# Altium PCB higgs.PcbDoc (part 16 of 25) (continued)
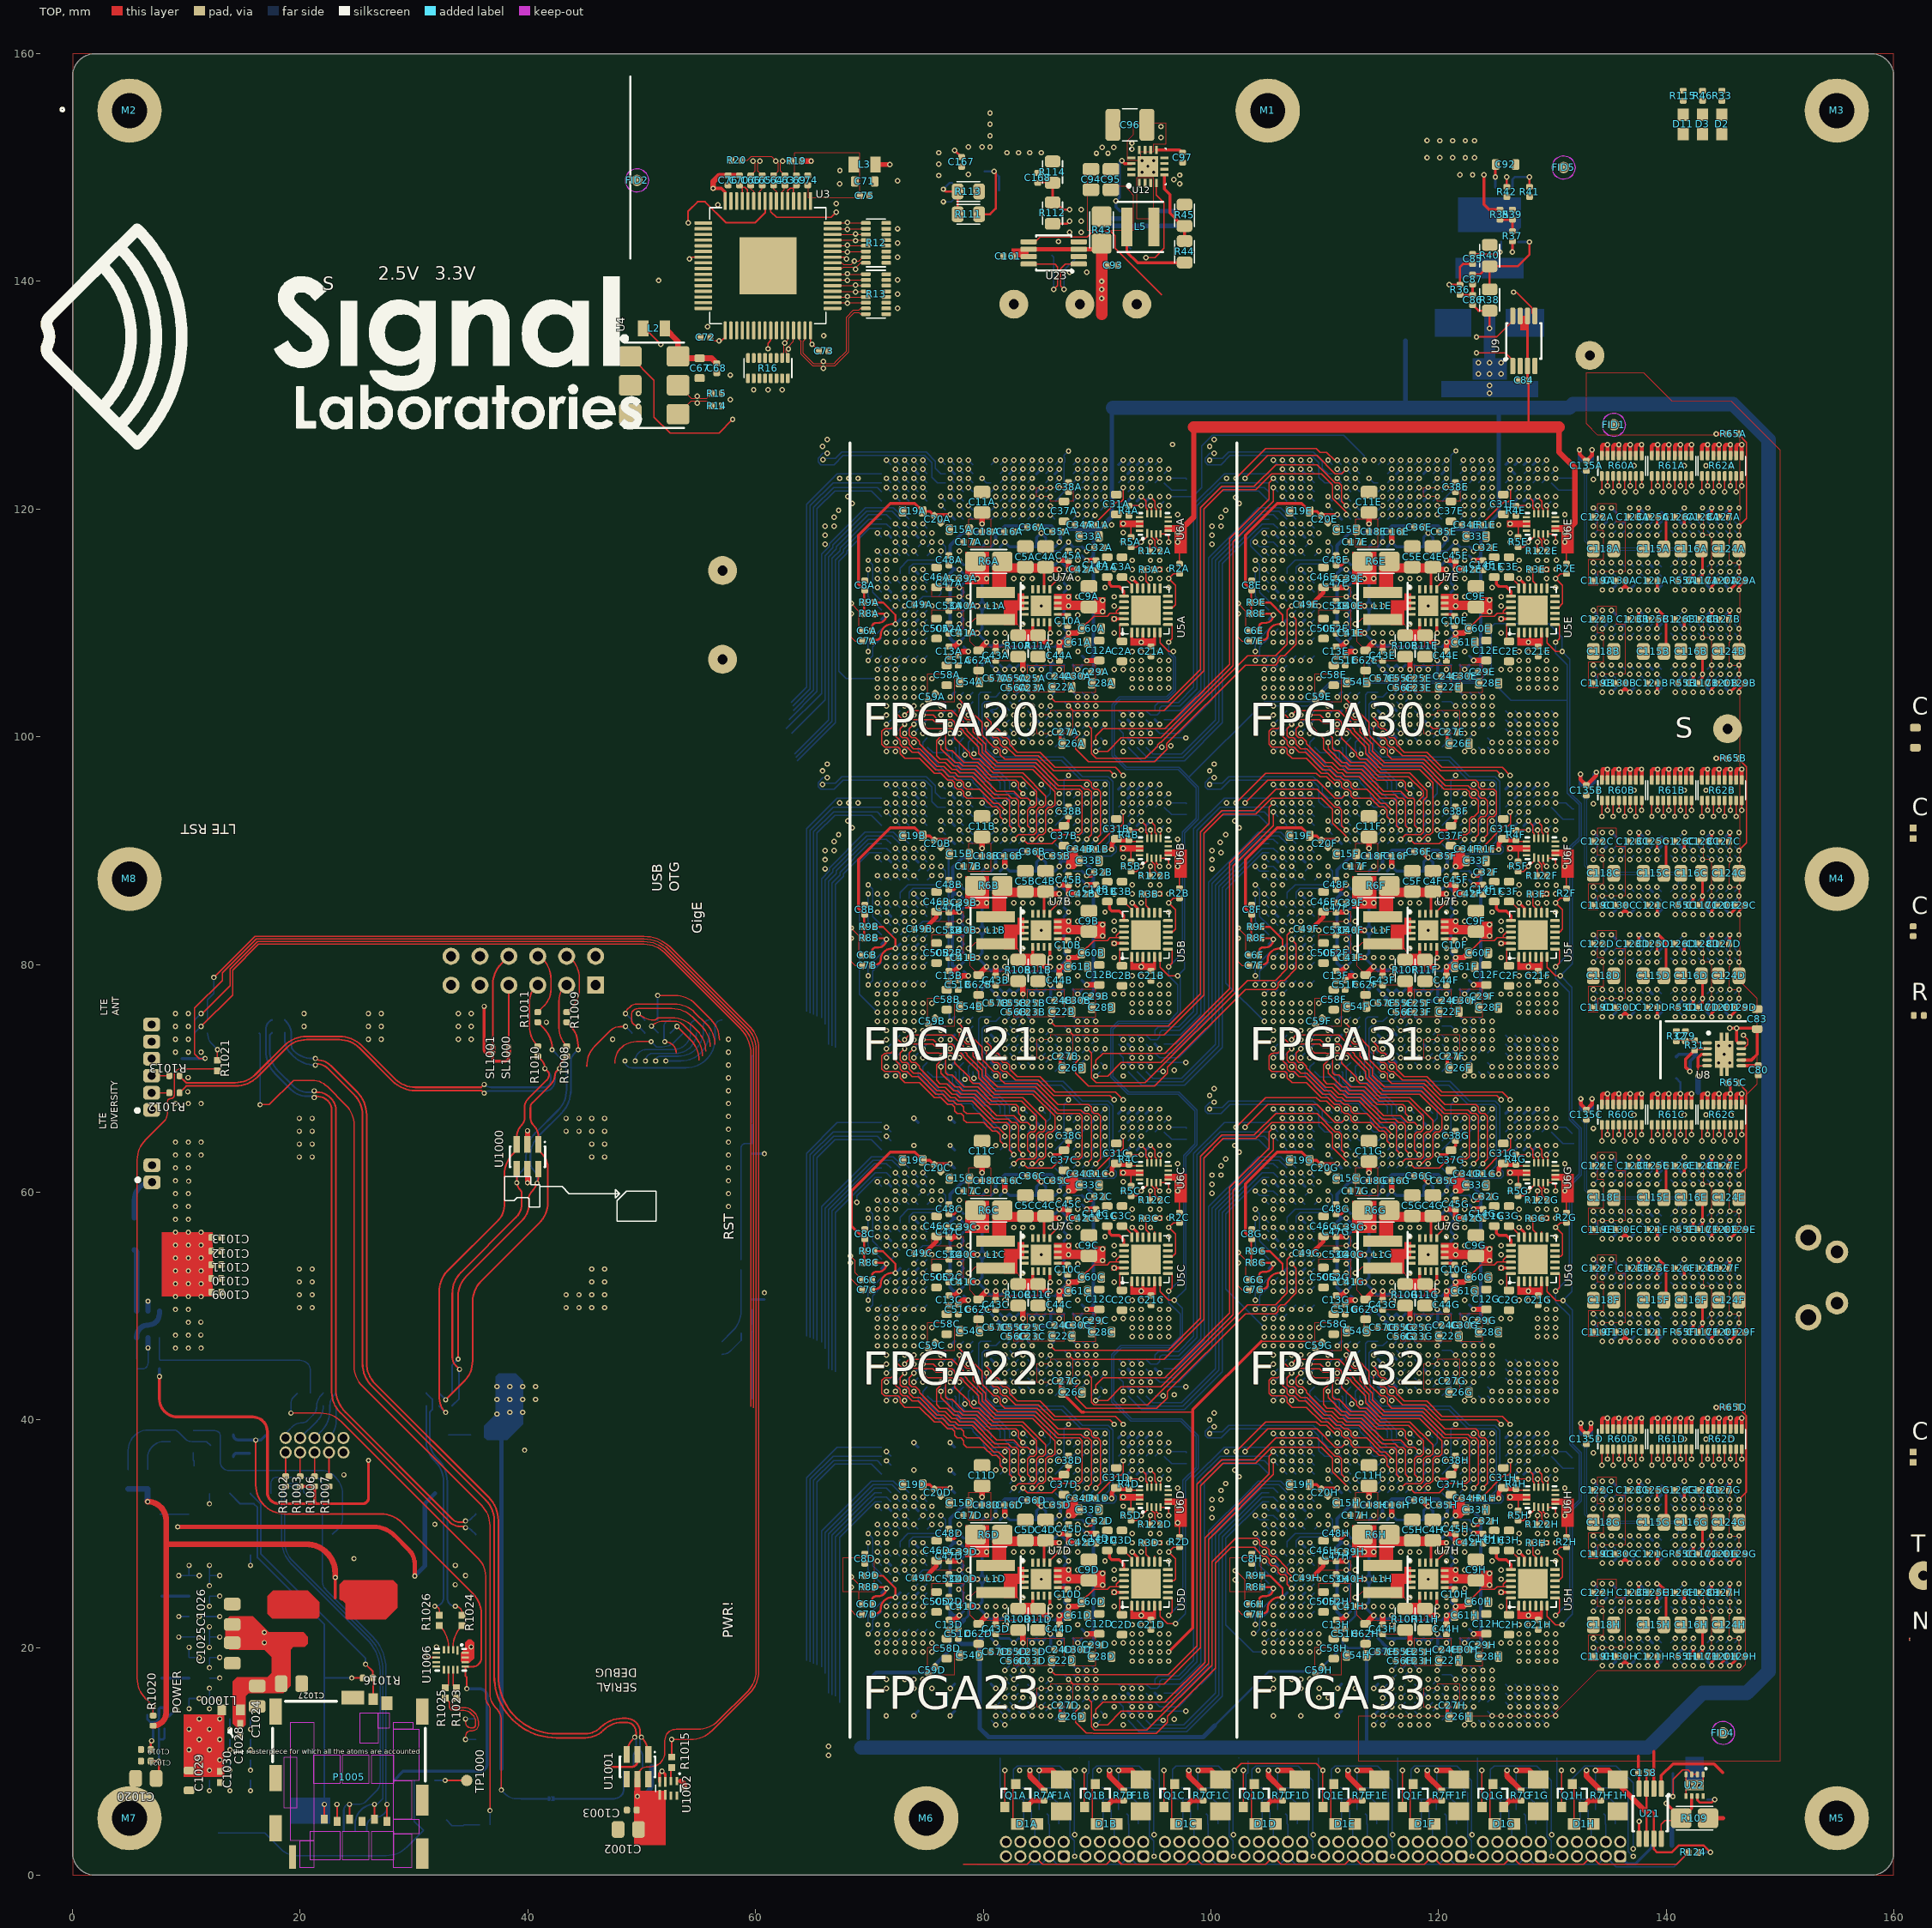
[diagram p0: TOP view]
## Nets (pads, with @x,y where several pads share a name; then routed paths per layer and width w, separated by ;. In a path a pad name is that pad's centre, name@x,y a point inside that pad or via, vN(x,y) a via of type N, cw(c..) or ccw(c..) an arc to the next point about the centre after c; other vN are vias at no path point) (continued)
  BOT w0.102: v1(106.3,48.9) U1G.C23@106.7,49.3 ; U1H.U4@117.9,36 v1(118.3,36.4)
IL12_33.LR.VTT: NT14.A
IL12_33.VIOLR: NT15.A
IL34_30.LR.G0.D0_N: U1E.P29 U14A.D3 | length 32.7
  S2(H) w0.102: v1(115.1,101.1) 115.5,101.5 117.666,101.5 117.9,101.734 117.9,102.066 118.134,102.3 118.466,102.3 118.7,102.534 118.7,103.069 121.131,105.5 122.94,105.5 124.54,107.1 129.775,107.1 130.875,108.2 131.725,108.2 131.925,108.4 ; 131.929,108.396 134.234,110.7 134.565,110.7 134.799,110.935 134.799,111.5 135.6,112.301 135.6,117.3 v1(136,117.7)
  BOT w0.102: v1(115.1,101.1) U1E.P29@115.5,101.5 ; v1(136,117.7) U14A.D3@136.4,118.1
IL34_30.LR.G0.D0_P: U1E.P28 U14A.C3 | length 32
  S2(H) w0.102: v1(115.9,101.9) 116.3,102.3 117.666,102.3 117.9,102.534 117.9,106.066 118.134,106.3 119.5,106.3 123.309,106.3 125.099,108.09 125.918,108.09 126.51,108.682 126.51,109.143 126.753,109.386 130.973,109.386 134.087,112.5 134.565,112.5 134.799,112.734 134.799,113 ; 134.799,113 134.799,117.3 v1(135.199,117.7)
  BOT w0.102: U1E.P28@115.5,102.3 v1(115.9,101.9) ; v1(135.199,117.7) U14A.C3@135.599,118.1
IL34_30.LR.G0.D1_N: U1E.T26 U14A.A2 | length 31.6
  S2(H) w0.102: v1(116.7,103.5) 117.1,103.9 117.1,106.066 118.134,107.1 123.678,107.1 124.973,108.395 125.792,108.395 126.205,108.808 126.205,109.269 126.626,109.69 130.847,109.69 133.999,112.843 133.999,115.7 133.999,115.943 133.504,115.943 133.504,116.446 133.999,116.446 134.495,116.446 134.495,116.949 133.999,116.949 133.999,117.2 133.999,118.1 v1(133.599,118.5)
  BOT w0.102: v1(116.7,103.5) U1E.T26@117.1,103.9 ; v1(133.599,118.5) U14A.A2@133.999,118.9
IL34_30.LR.G0.D1_P: U1E.R26 U14A.A3 | length 31.1
  S2(H) w0.102: v1(115.9,103.5) 116.3,103.9 116.3,105.8 116.3,106.066 118.134,107.9 118.4,107.9 118.652,107.9 118.652,108.395 119.154,108.395 119.154,107.9 119.154,107.405 119.657,107.405 119.657,107.9 120,107.9 124.047,107.9 124.847,108.7 125.666,108.7 125.9,108.934 125.9,109.395 126.5,109.995 130.721,109.995 133.199,112.474 133.199,117.3 v1(133.599,117.7)
  BOT w0.102: v1(115.9,103.5) U1E.R26@116.3,103.9 ; v1(133.599,117.7) U14A.A3@133.999,118.1
IL34_30.LR.G0.D2_N: U1E.T27 U14A.A7 | length 32.9
  S6(H) w0.102: v1(117.5,103.5) 117.9,103.9 117.9,107 118.8,107.9 121.4,107.9 122.1,108.6 123.4,108.6 123.652,108.6 123.652,109.2 124.154,109.2 124.154,108.6 124.6,108.6 125.569,108.6 126.674,109.705 132.405,109.705 133.199,110.499 133.199,110.8 133.199,111.052 132.6,111.052 132.6,111.555 133.199,111.555 133.266,111.555 133.266,112.058 133.199,112.058 132.6,112.058 132.6,112.561 133.199,112.561 133.255,112.561 133.255,113.064 133.199,113.064 132.6,113.064 132.6,113.566 133.199,113.566 133.255,113.566 133.255,114.069 133.199,114.069 132.6,114.069 132.6,114.572 133.199,114.572 133.199,114.7 133.199,114.9 v1(133.599,115.3)
  BOT w0.102: U1E.T27@117.1,103.1 v1(117.5,103.5) ; v1(133.599,115.3) U14A.A7@133.999,114.9
IL34_30.LR.G0.D2_P: U1E.R27 U14A.C2 | length 33.9
  S2(H) w0.102: v1(116.7,102.7) 116.299,103.101 115.735,103.101 115.5,103.336 115.5,106.066 118.134,108.7 124.416,108.7 126.016,110.3 130.594,110.3 132.894,112.6 132.894,118.361 133.434,118.9 134.799,118.9 v1(135.199,118.5)
  BOT w0.102: U1E.R27@116.3,103.1 v1(116.7,102.7) ; v1(135.199,118.5) U14A.C2@135.599,118.9
IL34_30.LR.G0.D3_N: U1E.U26 U14A.B8 | length 33
  S6(H) w0.102: v1(118.3,103.5) 118.7,103.9 118.7,104.1 118.7,104.243 118.26,104.243 118.26,104.746 118.7,104.746 119.14,104.746 119.14,105.249 118.7,105.249 118.7,105.5 118.7,106.866 119.43,107.595 121.526,107.595 122.226,108.295 125.695,108.295 126.8,109.4 127.5,109.4 127.825,109.4 128.328,109.4 128.328,109.005 128.831,109.005 128.831,109.4 129.334,109.4 129.334,109.005 129.837,109.005 129.837,109.4 130.34,109.4 130.34,109.005 130.843,109.005 130.843,109.4 131.346,109.4 131.346,109.005 131.849,109.005 131.849,109.4 132.1,109.4 132.531,109.4 133.999,110.868 133.999,111.5 133.999,111.637 134.439,111.637 134.439,112.14 133.999,112.14 133.56,112.14 133.56,112.643 133.999,112.643 133.999,113.146 133.56,113.146 133.56,113.649 133.999,113.649 133.999,113.9 133.999,114.1 v1(134.399,114.5)
  BOT w0.102: U1E.U26@117.9,103.9 v1(118.3,103.5) ; v1(134.399,114.5) U14A.B8@134.799,114.1
IL34_30.LR.G0.D3_P: U1E.U27 U14A.C8 | length 32.9
  S6(H) w0.102: v1(118.3,102.7) 119.5,103.9 119.5,104.3 119.5,104.546 119.995,104.546 119.995,105.049 119.5,105.049 119.5,105.3 119.5,105.734 120.866,107.1 122.466,107.1 123.356,107.99 125.821,107.99 126.531,108.7 128.4,108.7 128.652,108.7 129.154,108.7 129.154,108.205 129.657,108.205 129.657,108.7 129.8,108.7 130.3,108.7 130.551,108.7 131.054,108.7 131.054,108.205 131.557,108.205 131.557,108.7 132.06,108.7 132.06,108.205 132.563,108.205 132.563,108.7 132.9,108.7 133.3,109.1 134.565,109.1 134.799,109.335 134.799,109.9 134.799,110.146 134.211,110.146 134.211,110.649 134.799,110.649 134.799,110.9 134.799,111.5 134.799,111.846 135.295,111.846 135.295,112.349 134.799,112.349 134.799,112.6 134.799,114.101 v1(135.199,114.5)
  BOT w0.102: U1E.U27@117.9,103.1 v1(118.3,102.7) ; v1(135.199,114.5) U14A.C8@135.599,114.1
IL34_30.LR.G0.D4_N: R60A.1 U1E.U28 U14A.K9 U14B.K9 | length 52.8
  TOP w0.102: v1(134.35,121.5) R60A.1@134.35,122.905
  S1(V) w0.102: v1(118.3,101.9) 118.7,101.5 125.4,101.5 ; 125.4,101.501 125.665,101.501 125.901,101.736 125.901,102.065 126.135,102.299 129.665,102.299 129.901,102.064 129.901,101.735 130.135,101.501 130.799,101.501 130.8,101.5 139.201,101.5 v1(141.6,103.9) 142,104.3 142,112.5 v1(141.6,112.9) 141.2,113.3 141.2,114.4 141.2,114.665 140.966,114.9 140.8,114.9 135.834,114.9 135.6,115.134 135.6,115.934 133.999,117.535 133.999,121.149 v1(134.35,121.5)
  BOT w0.102: U1E.U28@117.9,102.3 v1(118.3,101.9) ; U14B.K9@141.2,104.3 v1(141.6,103.9) ; U14A.K9@141.2,113.3 v1(141.6,112.9)
IL34_30.LR.G0.D4_P: U1E.T29 U14A.D7 | length 32.6
  S6(H) w0.102: v1(116.7,101.1) 117.1,101.5 120.066,101.5 120.3,101.734 120.3,103.666 120.3,106.103 120.992,106.795 122.592,106.795 123.482,107.686 126.277,107.686 126.492,107.9 135,107.9 135.6,108.5 135.6,114.9 v1(136,115.3)
  BOT w0.102: v1(116.7,101.1) U1E.T29@117.1,101.5 ; v1(136,115.3) U14A.D7@136.4,114.9
IL34_30.LR.G0.S_N: U1E.T28 U14A.B7 | length 33.4
  S6(H) w0.089: v1(116.7,101.9) 117.1,102.3 117.1,103.666 116.802,103.964 116.802,105.436 117.1,105.734 117.1,106.066 116.8,106.366 116.8,107.6 117.15,107.95 117.233,108.033 117.58,108.38 118.011,107.949 118.358,108.296 117.927,108.727 118.1,108.9 118.198,108.998 119.436,108.998 119.734,108.7 121.666,108.7 121.962,108.997 122.597,108.997 123.2,109.6 126,109.6 126.403,110.003 131.591,110.003 132.2,110.612 132.2,114.91 133.29,116 134.498,116 134.698,115.8 134.698,115.598 v1(134.399,115.3)
  BOT w0.089: v1(116.7,101.9) U1E.T28@117.1,102.3 ; v1(134.399,115.3) U14A.B7@134.799,114.9
IL34_30.LR.G0.S_P: U1E.R29 U14A.C7 | length 33.7
  S6(H) w0.089: v1(115.9,101.1) 116.3,101.5 116.3,103.4 116.3,103.666 116.598,103.964 116.598,105.436 116.3,105.734 116.3,106.066 116.597,106.362 116.597,107.684 118.114,109.202 119.436,109.202 119.734,109.5 121.666,109.5 121.966,109.2 122.513,109.2 123.116,109.803 125.916,109.803 126.363,110.25 131.55,110.25 131.997,110.697 131.997,114.994 132.698,115.695 133.206,116.203 134.582,116.203 134.901,115.884 134.901,115.598 v1(135.199,115.3)
  BOT w0.089: v1(115.9,101.1) U1E.R29@116.3,101.5 ; v1(135.199,115.3) U14A.C7@135.599,114.9
IL34_30.LR.G1.D0_N: U1E.P30 U14B.H7 | length 35.6
  S1(V) w0.102: v1(115.1,100.3) 114.7,100.7 114.7,103.666 116.449,105.414 117.58,105.414 117.9,105.734 117.9,106.066 119.43,107.595 120.764,107.595 121.983,108.814 124.649,108.814 125.544,109.71 126.469,109.71 126.974,110.214 130.252,110.214 131.043,111.005 131.643,111.005 132.138,111.5 135.365,111.5 136.965,109.9 137.2,109.666 137.2,108.3 v1(139.2,106.3)
  BOT w0.102: v1(115.1,100.3) U1E.P30@115.5,100.7 ; v1(139.2,106.3) U14B.H7@139.6,105.9
IL34_30.LR.G1.D0_P: U1E.P31 U14B.F7 | length 33.7
  S1(V) w0.102: v1(115.9,99.5) 115.5,99.9 115.5,103.666 116.944,105.11 118.075,105.11 118.7,105.734 118.7,106.09 119.9,107.29 120.89,107.29 122.11,108.51 125.7,108.51 127.1,109.91 130.379,109.91 130.979,110.51 135.69,110.51 136.4,109.8 136.4,108.491 137.6,107.291 v1(137.6,106.3)
  BOT w0.102: U1E.P31@115.5,99.9 v1(115.9,99.5) ; v1(137.6,106.3) U14B.F7@138,105.9
IL34_30.LR.G1.D1_N: U1E.T30 U14B.E7 | length 32.3
  S1(V) w0.102: v1(117.5,101.1) 117.1,101.5 117.1,104.103 117.497,104.5 119.866,104.5 123.266,107.9 126.126,107.9 127.526,109.3 128,109.3 128.251,109.3 128.754,109.3 128.754,108.22 129.257,108.22 129.257,109.3 129.76,109.3 129.76,108.698 130.263,108.698 130.263,109.3 130.7,109.3 131.231,109.3 131.831,109.9 134.565,109.9 134.799,109.666 134.799,108.535 135.034,108.3 135.4,108.3 136.8,106.9 v1(136.8,106.3)
  BOT w0.102: U1E.T30@117.1,100.7 v1(117.5,101.1) ; v1(136.8,106.3) U14B.E7@137.2,105.9
IL34_30.LR.G1.D1_P: U1E.R30 U14B.F8 | length 33.4
  S1(V) w0.102: v1(116.7,100.3) 116.3,100.7 116.3,104 117.105,104.805 118.836,104.805 120.8,106.769 120.966,106.935 121.418,106.484 121.774,106.839 121.322,107.291 121.5,107.469 122.236,108.205 126,108.205 127.4,109.605 130.505,109.605 131.105,110.205 135.094,110.205 135.6,109.7 135.6,108.532 137.2,106.931 137.2,105.9 v1(137.6,105.5)
  BOT w0.102: U1E.R30@116.3,100.7 v1(116.7,100.3) ; v1(137.6,105.5) U14B.F8@138,105.1
IL34_30.LR.G1.D2_N: U1E.P32 U14B.H8 | length 33.5
  S1(V) w0.102: v1(115.9,98.7) 116.3,99.1 116.3,99.666 116.534,99.9 117.2,99.9 117.9,100.6 117.9,103.666 118.43,104.195 119.992,104.195 123.392,107.595 126.253,107.595 126.557,107.9 131.4,107.9 132.6,109.1 133.765,109.1 133.999,108.866 133.999,108.535 134.234,108.3 134.565,108.3 136.4,106.465 136.4,105.334 136.634,105.1 138.8,105.1 v1(139.2,105.5)
  BOT w0.102: U1E.P32@115.5,99.1 v1(115.9,98.7) ; v1(139.2,105.5) U14B.H8@139.6,105.1
IL34_30.LR.G1.D2_P: U1E.N32 U14B.F2 | length 35.4
  S1(V) w0.102: 113.9,101.9 113.9,103.666 115.5,105.266 115.5,106.4 118.6,109.5 123.7,109.5 125.3,111.1 128.534,111.1 130.6,111.1 131.305,111.805 135.491,111.805 137.091,110.205 137.6,109.697 v1(137.6,109.5) ; 113.901,101.9 113.901,100.699 114.395,100.205 114.395,99.405 v1(115.1,98.7)
  BOT w0.102: U1E.N32@114.7,99.1 v1(115.1,98.7) ; v1(137.6,109.5) U14B.F2@138,109.9
IL34_30.LR.G1.D3_N: U1E.U30 U14B.G2 | length 34.8
  S5(V) w0.102: v1(118.3,100.3) 118.7,99.9 122.466,99.9 122.7,100.134 122.7,103.666 123.334,104.3 125.5,104.3 125.9,103.9 131.969,103.9 133.199,105.13 133.199,106.465 133.434,106.7 136.651,106.7 136.651,107.392 137.154,107.392 137.154,106.7 137.657,106.7 137.657,108.069 138.16,108.069 138.16,106.7 138.603,106.7 138.8,106.897 138.8,109.1 v1(138.4,109.5)
  BOT w0.102: U1E.U30@117.9,100.7 v1(118.3,100.3) ; v1(138.4,109.5) U14B.G2@138.8,109.9
IL34_30.LR.G1.D3_P: U1E.U31 U14B.H3 | length 35.8
  S5(V) w0.102: v1(118.3,99.5) 118.7,99.1 122.466,99.1 123.5,100.134 123.5,103.666 123.734,103.9 125.1,103.9 125.9,103.1 131.6,103.1 132.8,104.3 134.631,104.3 134.631,105.105 135.134,105.105 135.134,104.3 135.637,104.3 135.637,105.1 136.14,105.1 136.14,104.3 136.643,104.3 136.643,105.1 137.146,105.1 137.146,104.3 138.3,104.3 138.8,104.8 138.8,106.465 139.2,106.865 v1(139.2,108.7)
  BOT w0.102: U1E.U31@117.9,99.9 v1(118.3,99.5) ; v1(139.2,108.7) U14B.H3@139.6,109.1
IL34_30.LR.G1.D4_N: R61A.5 U1E.Y30 U14A.K1 U14B.K1 | length 44.9
  TOP w0.102: v1(140.75,121.5) R61A.5@140.75,122.905
  S6(H) w0.102: v1(119.9,101.1) 120.3,100.7 125,100.7 125.405,101.105 125.405,102.374 125.826,102.795 131.805,102.795 132.3,102.3 138.597,102.3 141.2,104.903 141.2,110.7 v1(141.6,111.1) 142,111.5 142,119.7 v1(141.6,120.1) 140.75,120.951 v1(140.75,121.5)
  BOT w0.102: v1(119.9,101.1) U1E.Y30@120.3,100.7 ; U14B.K1@141.2,110.7 v1(141.6,111.1) ; U14A.K1@141.2,119.7 v1(141.6,120.1)
IL34_30.LR.G1.D4_P: U1E.W30 U14B.E3 | length 35
  S5(V) w0.102: v1(119.1,100.3) 119.5,100.7 120.451,100.7 120.451,100.205 120.954,100.205 120.954,100.7 121.666,100.7 121.9,100.934 121.9,103.666 122.134,103.9 122.503,103.9 123.303,104.7 124.051,104.7 124.051,105.195 124.554,105.195 124.554,104.605 125.057,104.605 125.057,105.195 125.56,105.195 125.56,104.599 126.063,104.599 126.063,105.195 126.566,105.195 126.566,104.7 131.152,104.7 131.152,105.32 131.654,105.32 131.654,104.7 132.338,104.7 132.894,105.257 132.894,107.576 133.009,107.691 133.754,107.691 133.754,107.081 134.257,107.081 134.257,107.691 134.76,107.691 134.76,107.081 135.263,107.081 135.263,107.691 135.766,107.691 135.766,107.081 136.269,107.081 136.269,107.691 136.591,107.691 136.8,107.9 v1(136.8,108.7)
  BOT w0.102: v1(119.1,100.3) U1E.W30@119.5,100.7 ; v1(136.8,108.7) U14B.E3@137.2,109.1
IL34_30.LR.G1.S_N: U1E.T31 U14B.G3 | length 36.3
  S5(V) w0.089: v1(117.5,99.5) 117.398,99.602 117.398,100.636 117.1,100.934 117.1,103.666 117.397,103.962 117.397,104.697 117.844,105.144 118.956,105.144 120.813,107 122.413,107 125.216,109.803 128.213,109.803 128.213,110.3 128.703,110.3 128.703,109.803 129.194,109.803 129.194,110.883 129.684,110.883 129.684,109.803 130.174,109.803 130.174,110.883 130.665,110.883 130.665,109.803 131.516,109.803 132.115,110.402 136.751,110.402 137.253,109.9 137.765,109.9 138,109.666 138,109.1 v1(138.4,108.7)
  BOT w0.089: U1E.T31@117.1,99.9 v1(117.5,99.5) ; v1(138.4,108.7) U14B.G3@138.8,109.1
IL34_30.LR.G1.S_P: U1E.R32 U14B.F3 | length 36.5
  S5(V) w0.089: v1(116.7,99.5) 117.1,99.1 117.8,99.1 117.9,99.2 117.9,99.666 117.602,99.964 117.602,100.636 117.9,100.934 117.9,103.666 117.6,103.966 117.6,104.613 117.928,104.94 119.04,104.94 120.3,106.2 120.897,106.797 122.497,106.797 125.3,109.6 127.135,109.6 127.135,108.8 127.626,108.8 127.626,109.6 128.116,109.6 128.116,108.8 128.606,108.8 128.606,109.6 129.097,109.6 129.097,108.8 129.587,108.8 129.587,109.6 131.6,109.6 132.199,110.199 136.667,110.199 137.2,109.666 137.2,109.206 137.193,109.2 137.193,109.107 137.2,109.1 ; 137.2,109.2 137.2,109.1 ; v1(137.6,108.7) 137.2,109.1
  BOT w0.089: U1E.R32@116.3,99.1 v1(116.7,99.5) ; v1(137.6,108.7) U14B.F3@138,109.1
IL34_30.LR.G2.D0_N: U1E.Y27 U14B.D7 | length 19.6
  S1(V) w0.102: v1(121.5,102.7) 121.398,102.802 121.398,104.017 122.325,104.944 123.034,104.944 124.391,106.3 131.691,106.3 132.592,107.202 135.098,107.202 v1(136,106.3)
  BOT w0.102: U1E.Y27@120.3,103.1 121.1,103.1 v1(121.5,102.7) ; v1(136,106.3) U14B.D7@136.4,105.9
IL34_30.LR.G2.D0_P: U1E.Y26 U14B.C2 | length 19.6
  S5(V) w0.102: v1(119.9,103.5) 119.9,104.066 122.134,106.3 123.407,106.3 125.007,107.9 131.204,107.9 133.204,109.9 134.799,109.9 v1(135.199,109.5)
  BOT w0.102: v1(119.9,103.5) U1E.Y26@120.3,103.9 ; v1(135.199,109.5) U14B.C2@135.599,109.9
IL34_30.LR.G2.D1_N: U1E.W28 U14B.A2 | length 19.8
  S5(V) w0.102: v1(119.9,102.7) 120.3,103.1 120.3,103.359 121.756,104.814 122.125,104.814 122.925,105.614 123.152,105.614 124.638,107.1 125.251,107.1 125.251,107.595 125.754,107.595 125.754,106.605 126.257,106.605 126.257,107.1 131.125,107.1 133.525,109.5 v1(133.599,109.5)
  BOT w0.102: U1E.W28@119.5,102.3 v1(119.9,102.7) ; v1(133.599,109.5) U14B.A2@133.999,109.9
IL34_30.LR.G2.D1_P: U1E.Y28 U14B.A3 | length 17.9
  S1(V) w0.102: v1(120.7,101.9) 120.7,103.75 122.45,105.5 122.466,105.5 122.961,105.995 123.295,105.995 124.4,107.1 131.999,107.1 v1(133.599,108.7)
  BOT w0.102: U1E.Y28@120.3,102.3 v1(120.7,101.9) ; v1(133.599,108.7) U14B.A3@133.999,109.1
IL34_30.LR.G2.D2_N: U1E.W29 U14B.C3 | length 19.6
  S5(V) w0.102: v1(119.9,101.9) 120.605,102.605 120.605,103.233 121.882,104.51 122.251,104.51 123.051,105.31 123.279,105.31 123.774,105.805 124.705,105.805 125.2,106.3 130.744,106.3 131.239,106.795 131.251,106.795 132.756,108.3 134.799,108.3 v1(135.199,108.7)
  BOT w0.102: U1E.W29@119.5,101.5 v1(119.9,101.9) ; v1(135.199,108.7) U14B.C3@135.599,109.1
IL34_30.LR.G2.D2_P: U1E.Y29 U14B.D3 | length 20.7
  S5(V) w0.102: v1(120.7,101.1) 121.1,101.5 121.1,103.297 122.008,104.205 122.377,104.205 123.177,105.005 123.405,105.005 123.9,105.5 130.466,105.5 130.7,105.734 130.7,105.825 131.365,106.49 131.378,106.49 132.883,107.995 135.295,107.995 v1(136,108.7)
  BOT w0.102: U1E.Y29@120.3,101.5 v1(120.7,101.1) ; v1(136,108.7) U14B.D3@136.4,109.1
IL34_30.LR.G2.D3_N: U1E.AC27 U14B.C8 | length 18.2
  S1(V) w0.102: v1(123.1,102.7) 123.5,102.3 125.099,102.3 125.099,102.795 130.005,102.795 130.5,102.3 131.1,102.3 131.352,102.3 131.854,102.3 131.854,101.805 132.357,101.805 132.357,102.3 132.357,102.795 132.86,102.795 132.86,102.3 133.2,102.3 133.365,102.3 134.799,103.734 134.799,105.1 v1(135.199,105.5)
  BOT w0.102: U1E.AC27@122.7,103.1 v1(123.1,102.7) ; v1(135.199,105.5) U14B.C8@135.599,105.1
IL34_30.LR.G2.D3_P: U1E.AB26 U14B.A7 | length 17.3
  S1(V) w0.102: v1(122.3,103.5) 122.7,103.9 131.199,103.9 131.65,104.35 131.755,104.455 132.384,103.826 132.74,104.182 132.111,104.811 132.043,104.878 132.399,105.234 132.466,105.167 133.095,104.538 133.451,104.893 132.822,105.522 133,105.7 v1(133.599,106.3)
  BOT w0.102: U1E.AB26@121.9,103.9 v1(122.3,103.5) ; v1(133.599,106.3) U14B.A7@133.999,105.9
IL34_30.LR.G2.D4_N: R61A.3 U1E.AD26 U14A.J3 U14B.J3 | length 42.5
  TOP w0.102: v1(139.75,121.5) R61A.3@139.75,122.905
  S5(V) w0.102: v1(123.9,103.5) 124.3,103.1 125.469,103.1 125.774,102.795 130.77,102.795 130.866,102.7 132.131,102.7 132.131,102.9 132.794,102.9 132.794,102.5 133.457,102.5 133.457,102.9 134.12,102.9 134.12,102.5 134.783,102.5 134.783,102.9 135.446,102.9 135.446,102.5 136.109,102.5 136.109,102.9 136.772,102.9 136.772,102.5 137.435,102.5 137.435,102.9 138.098,102.9 138.098,102.7 139.1,102.7 140.4,104 140.4,104.7 140.4,108.3 v1(140.8,108.7) 141.2,109.1 141.2,117.3 v1(140.8,117.7) 140.4,118.1 140.4,120.031 139.75,120.681 139.75,121.45 v1@139.8,121.5
  BOT w0.102: U1E.AD26@123.5,103.9 v1(123.9,103.5) ; U14B.J3@140.4,109.1 v1(140.8,108.7) ; U14A.J3@140.4,118.1 v1(140.8,117.7)
IL34_30.LR.G2.D4_P: U1E.AC26 U14B.B8 | length 18.4
  S1(V) w0.102: v1(123.1,103.5) 123.5,103.1 130.7,103.1 130.951,103.1 130.951,102.605 131.454,102.605 131.454,103.1 131.454,103.724 131.957,103.724 131.957,103.1 132.46,103.1 132.6,103.1 132.778,103.278 133.134,103.634 133.649,103.118 134.005,103.473 133.489,103.989 133.233,104.245 133.589,104.601 133.845,104.345 134,104.5 134.399,104.899 v1(134.399,105.5)
  BOT w0.102: U1E.AC26@122.7,103.9 v1(123.1,103.5) ; v1(134.399,105.5) U14B.B8@134.799,105.1
IL34_30.LR.G2.S_N: U1E.AB27 U14B.B7 | length 17.3
  S1(V) w0.089: v1@122.2,102.8 122.2,103.003 121.9,103.303 121.9,103.666 121.903,103.669 121.903,103.813 122.533,104.442 123.242,104.442 123.798,104.998 126.636,104.998 126.934,104.7 130.466,104.7 130.766,105 131.1,105 131.6,105.5 131.773,105.673 132.12,106.02 132.417,105.723 132.763,106.07 132.467,106.367 132.6,106.5 132.8,106.7 133.999,106.7 v1(134.399,106.3)
  S2(H) w0.089: v1@122.256,102.7 v1(122.3,102.7)
  BOT w0.089: U1E.AB27@121.9,103.1 v1(122.3,102.7) ; v1(134.399,106.3) U14B.B7@134.799,105.9
IL34_30.LR.G2.S_P: U1E.AB28 U14B.C7 | length 18.6
  S1(V) w0.089: v1(122.3,101.9) 121.9,102.3 121.9,103.016 121.697,103.219 121.697,103.894 121.952,104.148 122.449,104.645 123.158,104.645 123.714,105.202 126.636,105.202 126.934,105.5 130.466,105.5 130.762,105.203 131.016,105.203 132.716,106.903 134.596,106.903 v1(135.199,106.3)
  BOT w0.089: U1E.AB28@121.9,102.3 v1(122.3,101.9) ; v1(135.199,106.3) U14B.C7@135.599,105.9
IL34_30.LR.G3.D0_N: U1E.AB29 U14A.E7 | length 33.9
  S6(H) w0.102: v1(121.5,101.9) 121.1,102.3 121.1,103.703 124.497,107.1 131.554,107.1 131.554,106.61 132.057,106.61 132.057,107.1 132.057,107.59 132.56,107.59 132.56,107.1 132.56,106.761 133.063,106.761 133.063,107.1 133.063,107.59 133.566,107.59 133.566,107.1 134.069,107.1 134.069,107.59 134.572,107.59 134.572,107.1 134.7,107.1 134.965,107.1 136.4,108.535 136.4,110 136.4,110.252 135.91,110.252 135.91,110.755 136.4,110.755 136.4,111.258 135.91,111.258 135.91,111.761 136.4,111.761 136.4,112 136.4,114.9 v1(136.8,115.3)
  BOT w0.102: v1(121.5,101.9) U1E.AB29@121.9,101.5 ; v1(136.8,115.3) U14A.E7@137.2,114.9
IL34_30.LR.G3.D0_P: U1E.AB30 U14A.F7 | length 34.9
  S6(H) w0.102: v1(122.3,101.1) 121.9,101.5 121.9,104.072 124.128,106.3 124.4,106.3 124.437,106.3 124.437,106.609 124.94,106.609 124.94,106.3 125.443,106.3 125.443,106.795 125.946,106.795 125.946,106.3 126.449,106.3 126.7,106.3 128.2,106.3 128.546,106.3 128.546,106.795 129.049,106.795 129.049,106.3 129.3,106.3 133.034,106.3 133.529,106.795 135.695,106.795 136,107.1 136.111,107.211 135.809,107.513 136.165,107.868 136.466,107.567 136.822,107.922 137,108.1 137.2,108.3 137.2,110 137.2,110.146 136.704,110.146 136.704,110.649 137.2,110.649 137.2,110.9 137.2,111.4 137.2,111.846 136.704,111.846 136.704,112.349 137.2,112.349 137.2,112.6 137.2,113.3 137.2,113.446 136.704,113.446 136.704,113.949 137.2,113.949 137.2,114.2 137.2,114.9 v1(137.6,115.3)
  BOT w0.102: U1E.AB30@121.9,100.7 v1(122.3,101.1) ; v1(137.6,115.3) U14A.F7@138,114.9
IL34_30.LR.G3.D1_N: U1E.AD29 U14A.H7 | length 36.5
  S6(H) w0.102: v1(123.9,101.9) 123.5,102.3 123.5,103.666 124.534,104.7 130.466,104.7 130.865,105.1 133.4,105.1 133.522,105.1 133.522,104.521 134.025,104.521 134.025,105.1 134.528,105.1 134.528,104.7 135.031,104.7 135.031,105.1 135.534,105.1 135.534,104.7 136.037,104.7 136.037,105.1 136.54,105.1 136.54,104.7 137.043,104.7 137.043,105.1 137.546,105.1 137.546,104.7 138.049,104.7 138.049,105.1 138.3,105.1 138.6,105.1 138.8,105.3 138.8,109.9 138.8,110.146 139.295,110.146 139.295,110.649 138.8,110.649 138.8,110.9 138.8,111.6 138.8,111.846 139.295,111.846 139.295,112.349 138.8,112.349 138.8,112.6 138.8,113 138.8,113.446 139.295,113.446 139.295,113.949 138.8,113.949 138.8,114.2 138.8,114.9 v1(139.2,115.3)
  BOT w0.102: U1E.AD29@123.5,101.5 v1(123.9,101.9) ; v1(139.2,115.3) U14A.H7@139.6,114.9
IL34_30.LR.G3.D1_P: U1E.AC28 U14A.F8 | length 35
  S6(H) w0.102: v1(123.1,101.9) 122.7,102.3 122.7,104.2 124,105.5 130.466,105.5 130.865,105.9 131.8,105.9 132.246,105.9 132.246,105.404 132.749,105.404 132.749,105.9 133,105.9 137.765,105.9 138,106.134 138,106.8 138,106.943 136.82,106.943 136.82,107.446 138,107.446 138.495,107.446 138.495,107.949 138,107.949 138,108.2 138,109.9 138,110.146 138.495,110.146 138.495,110.649 138,110.649 138,110.9 138,111.4 138,111.543 137.505,111.543 137.505,112.046 138,112.046 138.208,112.046 138.208,112.549 138,112.549 138,112.8 138,114.1 v1(137.6,114.5)
  BOT w0.102: U1E.AC28@122.7,102.3 v1(123.1,101.9) ; v1(137.6,114.5) U14A.F8@138,114.1
IL34_30.LR.G3.D2_N: U1E.Y32 U14A.E3 | length 33.6
  S2(H) w0.102: v1(121.5,101.1) 121.1,101.5 121.1,102.866 124.534,106.3 130.466,106.3 131.233,107.067 131.566,107.401 132.132,106.835 132.488,107.191 131.922,107.756 132.1,107.934 132.466,108.3 136.165,108.3 136.4,108.535 136.4,117.3 v1(136.8,117.7)
  BOT w0.102: U1E.Y32@120.3,99.1 121.1,99.9 121.1,100.7 v1(121.5,101.1) ; v1(136.8,117.7) U14A.E3@137.2,118.1
IL34_30.LR.G3.D2_P: U1E.W31 U14A.H3 | length 35.3
  S2(H) w0.102: v1(119.9,100.3) 120.3,99.9 123.7,99.9 124.501,100.701 124.913,100.701 125.099,100.887 125.099,102.064 126.136,103.1 130.8,103.1 132.495,104.795 134.26,104.795 134.799,105.334 134.799,106.465 135.229,106.895 137.961,106.895 139.6,108.535 139.6,117.3 v1(139.2,117.7)
  BOT w0.102: U1E.W31@119.5,99.9 v1(119.9,100.3) ; v1(139.2,117.7) U14A.H3@139.6,118.1
IL34_30.LR.G3.D3_N: U1E.AE30 U14A.F2 | length 35.7
  S6(H) w0.102: v1(124.7,101.1) 125.1,101.5 125.1,101.8 125.1,102.5 125.7,103.1 134.6,103.1 134.851,103.1 134.851,103.5 135.354,103.5 135.354,103.1 135.354,102.605 135.857,102.605 135.857,103.1 136.2,103.1 138.166,103.1 138.8,103.734 138.8,104.103 139.905,105.208 139.905,117.561 139.366,118.1 138,118.1 v1(137.6,118.5)
  BOT w0.102: U1E.AE30@124.3,100.7 v1(124.7,101.1) ; v1(137.6,118.5) U14A.F2@138,118.9
IL34_30.LR.G3.D3_P: U1E.AD30 U14A.H8 | length 35.3
  S6(H) w0.102: v1(123.9,101.1) 124.3,101.5 124.3,102.866 124.534,103.1 125.1,103.1 125.9,103.9 130.8,103.9 131.051,103.9 131.051,104.795 131.554,104.795 131.554,103.9 131.554,103.405 132.057,103.405 132.057,103.9 132.057,104.795 132.56,104.795 132.56,103.9 132.56,103.405 133.063,103.405 133.063,103.9 133.566,103.9 133.6,103.9 133.834,103.9 134.329,104.395 138.661,104.395 139.6,105.334 139.6,106.8 139.6,107.052 139.105,107.052 139.105,107.555 139.6,107.555 139.6,107.9 139.6,114.1 v1(139.2,114.5)
  BOT w0.102: U1E.AD30@123.5,100.7 v1(123.9,101.1) ; v1(139.2,114.5) U14A.H8@139.6,114.1
IL34_30.LR.G3.D4_N: R61A.7 U1E.AE31 U14A.L2 U14B.L2 | length 47.6
  TOP w0.102: v1(141.75,121.5) R61A.7@141.75,122.905
  S2(H) w0.102: v1(124.7,99.5) v1(124.7,99.5)
  S6(H) w0.102: v1(124.7,99.5) 125.901,100.701 125.901,102.065 126.135,102.299 127.265,102.299 127.499,102.065 127.499,101.736 127.736,101.5 131,101.5 131.232,101.5 131.232,101.83 131.694,101.83 131.694,101.5 132.157,101.5 132.157,101.83 132.62,101.83 132.62,101.5 133.083,101.5 133.083,101.83 133.546,101.83 133.546,101.5 134.009,101.5 134.009,101.83 134.472,101.83 134.472,101.5 134.935,101.5 134.935,101.83 135.398,101.83 135.398,101.5 135.861,101.5 135.861,101.83 136.324,101.83 136.324,101.5 136.787,101.5 136.787,101.83 137.25,101.83 137.25,101.5 137.713,101.5 137.713,101.83 138.176,101.83 138.176,101.5 138.639,101.5 138.974,101.5 139.766,101.5 142,103.734 142,103.8 142,109.1 v1(142.4,109.5) 142.8,109.9 142.8,118.1 v1(142.4,118.5) 142.4,119.866 141.75,120.516 v1(141.75,121.5)
  BOT w0.102: U1E.AE31@124.3,99.9 v1(124.7,99.5) ; U14B.L2@142,109.9 v1(142.4,109.5) ; U14A.L2@142,118.9 v1(142.4,118.5)
IL34_30.LR.G3.D4_P: U1E.AC31 U14A.G2 | length 33.5
  S2(H) w0.102: v1(123.1,100.3) 123.664,100.3 124.299,100.935 124.299,101.099 ; v1(138.4,118.5) 138.8,118.1 138.8,117.1 138.8,116.849 139.295,116.849 139.295,116.346 138.8,116.346 138.8,115.9 138.8,112.4 138.8,112.149 139.295,112.149 139.295,111.646 138.8,111.646 138.8,111.5 138.8,108.291 137.709,107.2 133.906,107.2 130.606,103.9 130.3,103.9 125.8,103.9 125.1,103.2 125.1,102.534 124.866,102.3 124.534,102.3 124.3,102.066 124.3,101.1 ; 124.299,101.099 124.3,101.1
  BOT w0.102: U1E.AC31@122.7,99.9 v1(123.1,100.3) ; v1(138.4,118.5) U14A.G2@138.8,118.9
IL34_30.LR.G3.S_N: U1E.AB31 U14A.G3 | length 33.3
  S2(H) w0.089: v1(122.3,100.3) 122.7,100.7 123.266,100.7 123.5,100.934 123.5,103.666 123.2,103.966 123.2,104.2 123.998,104.998 125.845,104.998 126.143,104.7 130.466,104.7 130.766,105 131.284,105 133.784,107.5 137.3,107.5 137.701,107.901 137.701,108.245 138,108.544 138,109.666 137.701,109.964 137.701,110.636 138,110.935 138,111.266 137.701,111.564 137.701,112.436 138,112.734 138,113.065 137.701,113.364 137.701,114.036 138,114.334 138,115.465 137.703,115.762 137.703,116.318 138.101,116.716 138.101,117.402 v1(138.4,117.7)
  BOT w0.089: U1E.AB31@121.9,99.9 v1(122.3,100.3) ; v1(138.4,117.7) U14A.G3@138.8,118.1
IL34_30.LR.G3.S_P: U1E.AC30 U14A.F3 | length 33.1
  S2(H) w0.089: v1(123.1,101.1) 122.7,101.5 122.7,103.666 122.997,103.962 122.997,104.284 123.914,105.202 124.2,105.202 124.445,105.202 124.445,105.789 124.935,105.789 124.935,105.202 125.1,105.202 125.845,105.202 126.143,105.5 130.466,105.5 130.762,105.203 131.2,105.203 133.7,107.703 137.216,107.703 137.498,107.986 137.498,108.245 137.2,108.544 137.2,109.666 137.498,109.964 137.498,110.636 137.2,110.935 137.2,111.266 137.498,111.564 137.498,112.436 137.2,112.734 137.2,113.065 137.498,113.364 137.498,114.036 137.2,114.334 137.2,115.465 137.5,115.766 137.5,116.402 137.898,116.8 137.898,117.402 v1(137.6,117.7)
  BOT w0.089: U1E.AC30@122.7,100.7 v1(123.1,101.1) ; v1(137.6,117.7) U14A.F3@138,118.1
IL34_30.TB.G8.D0_N: R60A.4 U1E.AG29 U14A.N7 U14B.N7 | length 49.9
  TOP w0.102: v1(135.85,122.05) R60A.4@135.85,122.905
  S1(V) w0.102: v1@135.904,122.05 135.904,119.496 136.4,119 136.4,117.3 137.391,116.309 142.991,116.309 v1(144,115.3)
  S2(H) w0.102: v1(126.3,101.1) 126.7,100.7 128.866,100.7 129.1,100.466 129.1,100.134 129.334,99.9 139.766,99.9 140.066,100.2 140.244,100.378 140.075,100.548 140.43,100.903 140.6,100.734 140.956,101.089 140.786,101.259 141.142,101.615 141.311,101.445 141.667,101.801 142.023,102.156 142.066,102.2 142.244,102.378 142.6,102.734 142.303,103.031 142.659,103.386 142.956,103.089 143.283,103.417 143.6,103.734 143.6,104.1 143.6,104.352 143.351,104.352 143.351,104.855 143.6,104.855 143.6,105.3 143.6,105.9 v1(144,106.3) 144.4,106.7 144.4,114.9 v1(144,115.3)
  BOT w0.102: U1E.AG29@125.9,101.5 v1(126.3,101.1) ; U14B.N7@143.6,105.9 v1(144,106.3) ; U14A.N7@143.6,114.9 v1(144,115.3)